# KiCad board FPGA_dev_board.kicad_pcb (continued)
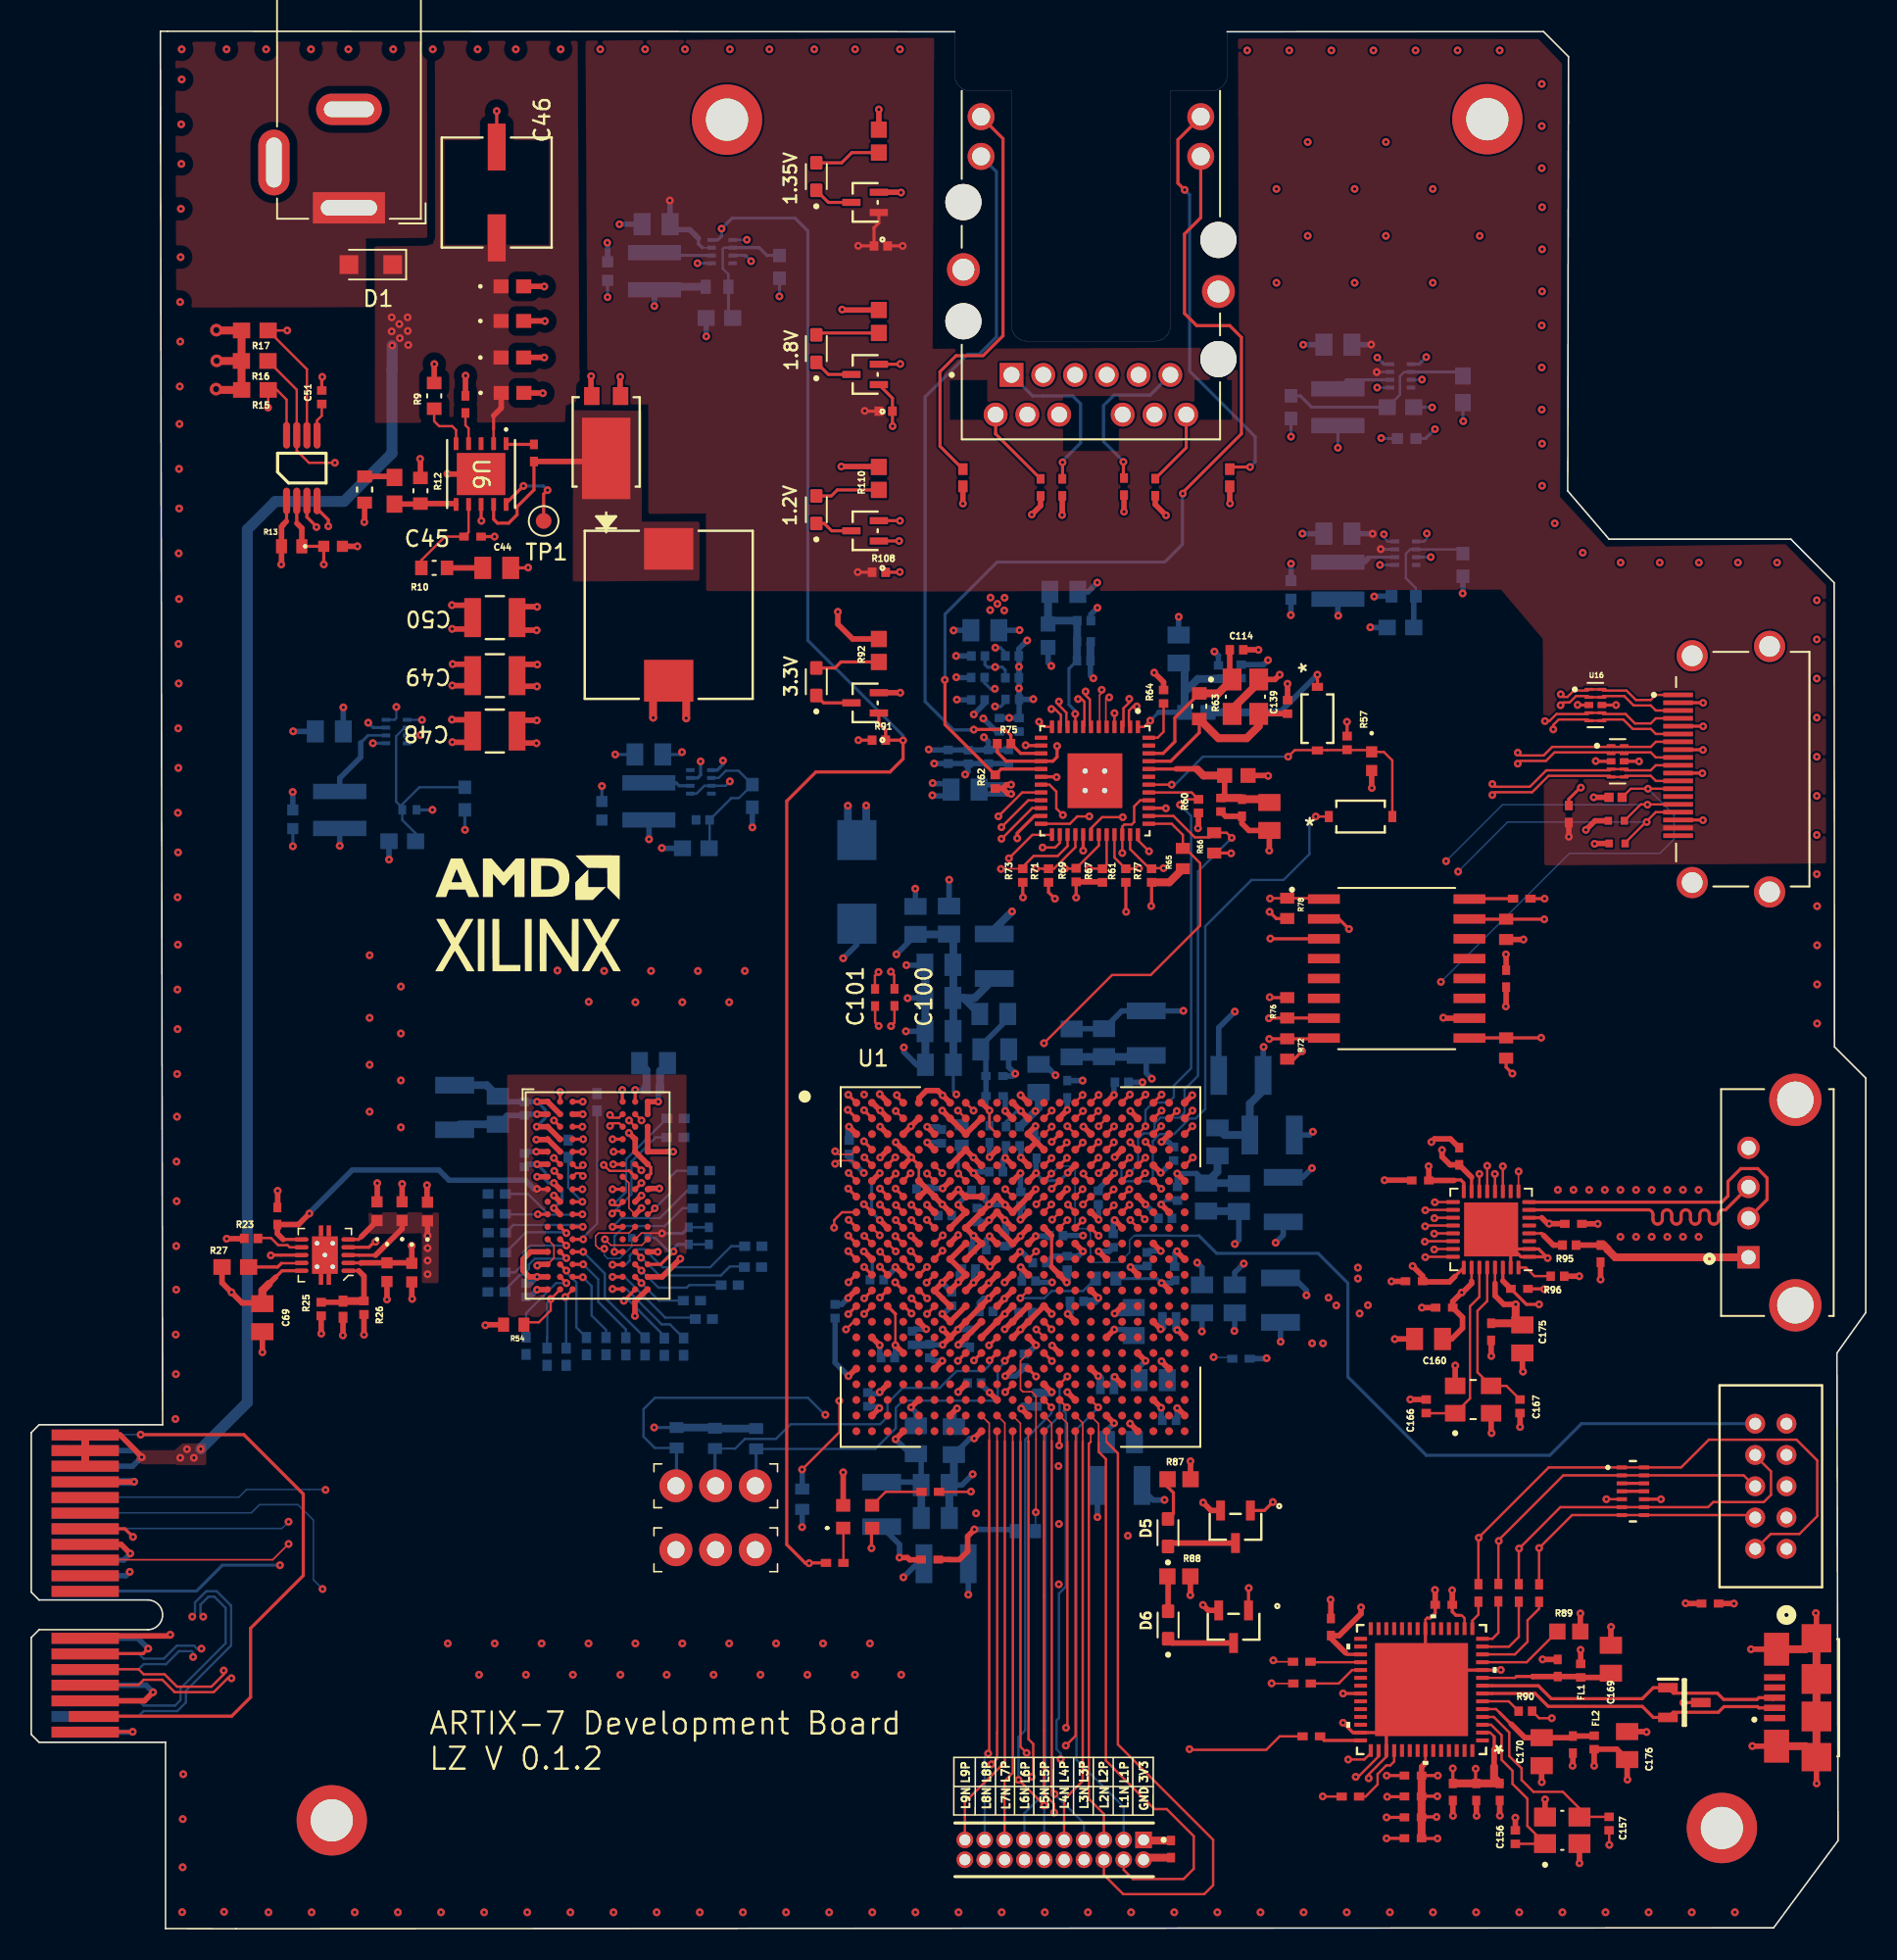
[diagram p0: board, top side]
## Routing (per net, layer and track width the routed paths; a pad name or vN(x,y) marks a point on that pad's centre or on a via; arc(x,y) is an arc through that point) (continued)
/Ethernet/TRD4_N: length 27.5
  Top w0.15: U11.11 65.86,76.92 65.86,77.61 65.48,77.98 v1(65.25,77.98)
  In2.Cu w0.1: v1(65.25,77.98) 65.25,78.18 64.55,78.88 64.55,79.9 arc(64.48,80.06) 64.33,80.13 64.13,80.13 arc(63.69,80.31) 63.5,80.75 63.5,80.75 arc(63.69,81.19) 64.13,81.38 64.33,81.38 arc(64.48,81.44) 64.55,81.6 64.55,91.41 arc(64.48,91.59) 64.3,91.66 63.88,91.66 arc(63.7,91.73) 63.63,91.91 arc(63.7,92.09) 63.88,92.16 64.3,92.16 arc(64.48,92.23) 64.55,92.41 arc(64.48,92.59) 64.3,92.66 63.88,92.66 arc(63.7,92.73) 63.63,92.91 arc(63.7,93.09) 63.88,93.16 64.3,93.16 arc(64.48,93.23) 64.55,93.41 arc(64.48,93.59) 64.3,93.66 63.88,93.66 arc(63.7,93.73) 63.63,93.91 arc(63.7,94.09) 63.88,94.16 64.3,94.16 arc(64.48,94.23) 64.55,94.41 arc(64.48,94.59) 64.3,94.66 63.88,94.66 arc(63.7,94.73) 63.63,94.91 arc(63.7,95.09) 63.88,95.16 64.3,95.16 arc(64.48,95.23) 64.55,95.41 64.55,95.6 65.29,96.34
/Ethernet/TRD4_P: length 27.5
  Top w0.15: U11.10 66.2,76.92 66.2,77.75 65.73,78.23 v1(65.73,78.46)
  In2.Cu w0.1: v1(65.73,78.46) 65.53,78.46 64.95,79.04 64.95,79.9 arc(64.77,80.34) 64.33,80.53 64.13,80.53 arc(63.97,80.59) 63.9,80.75 63.9,80.75 arc(63.97,80.91) 64.13,80.98 64.33,80.98 arc(64.77,81.16) 64.95,81.6 64.95,95.08 65.4,95.53 66.2,95.53 66.85,96.18 66.85,97.28 66.29,97.84 64.76,97.84 63.72,96.8
/FPGA Unit A/CLK_100MHZ: length 10
  Top w0.15: 60.1,27.98 60.06,27.94 R93.2
  Top w0.2: 62.82,34.84 v1(62.29,34.31)
  In5.Cu w0.15: v1(62.29,34.31) 62.29,33.76 60.94,32.41 60.94,28.82 60.1,27.98
  vias: v1(60.1,27.95)
/FPGA Unit A/CLK_OSC_OUT: length 3.5
  Top w0.15: R93.1 54.65,27.94 Y4.3
/FPGA Unit C/CONFIG_M00: length 23.2
  Top w0.2: 62.79,36.84 v1(62.27,36.31)
  Bottom w0.15: v1(62.27,36.31) 62.27,36.22 61.81,35.76 61.81,34 61.57,33.76 55.74,33.76 55.29,33.31 55.29,31.99 53.98,30.68 R83.1 ; 46.36,28.37 J9.3
  Bottom w0.2: R83.1 46.36,28.37
/FPGA Unit C/CONFIG_M10: length 23.7
  Top w0.2: 61.82,36.86 v1(61.29,36.34)
  Bottom w0.15: v1(61.29,36.34) 61.29,36.04 60.91,35.66 59.18,35.66 58.1,34.58 55.73,34.58 54.77,33.62 54.77,32.74 54.29,32.26 48.57,32.26 47.63,31.32 45.64,31.32 45.02,30.7 R84.1 ; 43.73,28.36 J9.2
  Bottom w0.2: R84.1 43.73,28.36
/FPGA Unit C/CONFIG_M20: length 30.8
  Top w0.2: 60.82,36.86 v1(60.29,36.34)
  In2.Cu w0.1: v1(60.29,36.34) 60.29,36.15
  In2.Cu w0.15: 50.73,32.89 52.11,32.89 54.25,35.03 59.17,35.03 60.29,36.15
  Bottom w0.15: 50.73,32.89 49.67,33.95 39.89,33.95 39.16,33.22 39.16,31.46 39.88,30.74 R85.1 ; 41.27,28.36 J9.1
  Bottom w0.2: R85.1 41.27,28.36
  vias: v1(50.79,32.86)
/FPGA Unit D - E/HSO_RX_0_N: length 120.4
  Top w0.15: v1(60.27,52.31) 59.77,52.81 U1.A8
  In5.Cu w0.1: v1(10.3,19.95) 10.7,20.35 11.4,20.35 12.71,21.66 12.71,23.96 16.43,27.68 16.43,38.59 17.37,39.53 18.64,39.53 20.3,41.19 20.3,44.7 19.96,45.04 19.96,58.74 28.65,67.43 57.6,67.43 59.97,65.07 59.97,52.61 v1(60.27,52.31)
  Bottom w0.15: v1(10.3,19.95) 10.47,20.13 10.47,20.86 11.18,21.58 11.86,21.58 12.78,20.65 12.78,18.11 9.89,15.22 9.89,14.47 9.34,13.92 7.19,13.92 6.86,13.59 3.64,13.59
/FPGA Unit D - E/HSO_RX_0_P: length 120.4
  Top w0.15: U1.B8 59.77,51.81 v1(59.27,52.31)
  In5.Cu w0.1: v1(59.27,52.31) 59.57,52.61 59.57,64.9 57.44,67.03 28.81,67.03 20.36,58.58 20.36,45.2 20.7,44.86 20.7,41.03 18.8,39.13 17.53,39.13 16.83,38.43 16.83,37.04 arc(16.93,36.79) 17.19,36.68 arc(17.44,36.58) 17.54,36.33 17.54,36.14 arc(17.44,35.89) 17.19,35.78 arc(16.93,35.68) 16.83,35.43 16.83,35.24 arc(16.93,34.99) 17.19,34.88 arc(17.44,34.78) 17.54,34.53 17.54,34.34 arc(17.44,34.09) 17.19,33.98 arc(16.93,33.88) 16.83,33.63 16.83,33.44 arc(16.93,33.19) 17.19,33.08 arc(17.44,32.98) 17.54,32.73 17.54,32.54 arc(17.44,32.29) 17.19,32.18 arc(16.93,32.08) 16.83,31.83 16.83,31.64 arc(16.93,31.39) 17.19,31.28 arc(17.44,31.18) 17.54,30.93 17.54,30.74 arc(17.44,30.49) 17.19,30.38 arc(16.93,30.28) 16.83,30.03 16.83,27.52 13.11,23.8 13.11,21.5 11.56,19.95 v1(11,19.95)
  Bottom w0.15: 3.64,14.59 6.86,14.59 7.19,14.27 9.2,14.27 9.54,14.61 9.54,15.36 12.43,18.25 12.43,20.51 11.71,21.23 11.33,21.23 10.82,20.72 10.82,20.13 v1(11,19.95)
/FPGA Unit D - E/HSO_TX_0__GTP_N: length 8.5
  Top w0.15: C101.1 53.97,57.95 v1(54.2,57.72)
  Top w0.2: U1.A4 55.36,53.22 v1(55.36,53.3)
  In5.Cu w0.1: v1(55.36,53.3) 55.63,53.03 56.14,53.03 56.28,53.16 56.28,54.46 54.4,56.34 54.4,57.52 v1(54.2,57.72)
/FPGA Unit D - E/HSO_TX_0__GTP_P: length 9.3
  Top w0.15: U1.B4 55.77,51.81 v1(55.29,52.28) ; v1(54.99,57.71) 55.21,57.93 C100.1
  In5.Cu w0.1: v1(55.29,52.28) 55.63,52.63 56.31,52.63 56.68,53 56.68,54.62 54.8,56.5 54.8,57.52 v1(54.99,57.71)
/FPGA Unit D - E/HSO_TX_0_N: length 119.6
  Top w0.15: 3.64,15.59 6.86,15.59 7.19,15.92 8.38,15.92 9.17,15.13 11.67,15.13 12.56,16.01 v1(12.8,16.01) ; 53.96,59.97 53.96,60.94 v1(54.19,61.17)
  In5.Cu w0.1: v1(54.19,61.17) 54.39,61.38 54.39,61.88 52.55,63.73 32.6,63.73 27.85,58.98 27.85,27.54 25.17,24.85 arc(25.09,24.68) 25.17,24.5 26.35,23.32 arc(26.54,22.86) 26.35,22.4 arc(25.89,22.21) 25.43,22.4 24.25,23.58 arc(24.07,23.65) 23.89,23.58 arc(23.82,23.4) 23.89,23.23 25.07,22.05 arc(25.26,21.59) 25.07,21.13 arc(24.61,20.94) 24.15,21.13 22.97,22.31 arc(22.8,22.38) 22.62,22.31 arc(22.55,22.13) 22.62,21.95 23.8,20.77 arc(23.99,20.32) 23.8,19.86 arc(23.34,19.67) 22.88,19.86 21.7,21.04 arc(21.52,21.11) 21.35,21.04 arc(21.27,20.86) 21.35,20.68 22.53,19.5 arc(22.72,19.04) 22.53,18.58 arc(22.07,18.39) 21.61,18.58 20.43,19.76 arc(20.25,19.84) 20.08,19.76 arc(20,19.59) 20.08,19.41 21.25,18.23 arc(21.45,17.77) 21.25,17.31 arc(20.8,17.12) 20.34,17.31 19.16,18.49 arc(18.98,18.56) 18.8,18.49 arc(18.73,18.31) 18.8,18.14 19.98,16.96 arc(20.17,16.5) 19.98,16.04 arc(19.52,15.85) 19.06,16.04 17.88,17.22 arc(17.71,17.29) 17.53,17.22 16.42,16.11 15.65,16.11 arc(15.39,16) 15.28,15.74 arc(15.18,15.49) 14.92,15.38 14.75,15.38 arc(14.49,15.49) 14.38,15.74 arc(14.28,16) 14.02,16.11 12.9,16.11 v1(12.8,16.01)
/FPGA Unit D - E/HSO_TX_0_P: length 119.6
  Top w0.15: v1(12.31,16.51) 12.31,16.26 11.52,15.48 9.32,15.48 8.53,16.27 7.19,16.27 6.86,16.59 3.64,16.59 ; 55.19,59.95 55.19,60.98 v1(54.98,61.19)
  In5.Cu w0.1: v1(54.98,61.19) 54.8,61.38 54.8,62.05 52.71,64.13 32.44,64.13 27.45,59.14 27.45,27.7 24.88,25.14 arc(24.69,24.68) 24.88,24.22 26.06,23.04 arc(26.14,22.86) 26.06,22.68 arc(25.89,22.61) 25.71,22.68 24.53,23.86 arc(24.07,24.05) 23.61,23.86 arc(23.42,23.4) 23.61,22.94 24.79,21.76 arc(24.86,21.59) 24.79,21.41 arc(24.61,21.34) 24.44,21.41 23.26,22.59 arc(22.8,22.78) 22.34,22.59 arc(22.15,22.13) 22.34,21.67 23.52,20.49 arc(23.59,20.32) 23.52,20.14 arc(23.34,20.07) 23.16,20.14 21.98,21.32 arc(21.52,21.51) 21.07,21.32 arc(20.87,20.86) 21.07,20.4 22.24,19.22 arc(22.32,19.04) 22.24,18.87 arc(22.07,18.79) 21.89,18.87 20.71,20.05 arc(20.25,20.24) 19.79,20.05 arc(19.6,19.59) 19.79,19.13 20.97,17.95 arc(21.05,17.77) 20.97,17.59 arc(20.8,17.52) 20.62,17.59 19.44,18.77 arc(18.98,18.96) 18.52,18.77 arc(18.33,18.31) 18.52,17.85 19.7,16.67 arc(19.77,16.5) 19.7,16.32 arc(19.52,16.25) 19.35,16.32 18.17,17.5 arc(17.71,17.69) 17.25,17.5 16.26,16.51 v1(12.31,16.51)
/FPGA Unit D - E/REFCLK_N: length 120.4
  Top w0.15: 57.79,48.78 v1(58.27,48.31)
  In5.Cu w0.1: v1(10.35,17.38) 10.35,17.62 9.99,17.99 9.99,18.6 10.66,19.27 12.67,19.27 13.56,20.16 13.56,23.21 15.81,25.46 23.3,25.46 26.22,28.38 26.22,31.97 arc(26.14,32.16) 25.95,32.25 25.71,32.25 arc(25.23,32.44) 25.04,32.92 arc(25.23,33.4) 25.71,33.59 25.95,33.59 arc(26.14,33.68) 26.22,33.87 arc(26.14,34.06) 25.95,34.15 25.71,34.15 arc(25.23,34.34) 25.04,34.82 arc(25.23,35.3) 25.71,35.5 25.95,35.5 arc(26.14,35.58) 26.22,35.77 arc(26.14,35.96) 25.95,36.04 25.71,36.04 arc(25.23,36.24) 25.04,36.72 arc(25.23,37.2) 25.71,37.4 25.95,37.4 arc(26.14,37.48) 26.22,37.67 26.22,48.25 25.92,48.55 25.92,60.73 30.78,65.59 56.16,65.59 58.64,63.11 58.64,54.63 57.76,53.75 57.76,52.1 58.58,51.28 58.58,49.96 57.99,49.37 57.99,48.59 v1(58.27,48.31)
  Bottom w0.15: v1(10.35,17.38) 10.35,17.66 10.26,17.75 9.45,17.75 8.62,16.92 7.19,16.92 6.86,16.59 3.64,16.59
/FPGA Unit D - E/REFCLK_P: length 120.4
  Top w0.15: U1.F6 57.77,47.81 v1(57.29,48.28)
  In5.Cu w0.1: v1(57.29,48.28) 57.59,48.59 57.59,49.53 58.18,50.12 58.18,51.12 57.36,51.94 57.36,53.91 58.24,54.79 58.24,62.95 56,65.19 30.94,65.19 26.32,60.57 26.32,48.71 26.62,48.41 26.62,37.67 arc(26.42,37.19) 25.95,37 25.71,37 arc(25.52,36.91) 25.44,36.72 arc(25.52,36.53) 25.71,36.44 25.95,36.44 arc(26.42,36.25) 26.62,35.77 arc(26.42,35.29) 25.95,35.09 25.71,35.09 arc(25.52,35.01) 25.44,34.82 arc(25.52,34.63) 25.71,34.54 25.95,34.54 arc(26.42,34.35) 26.62,33.87 arc(26.42,33.39) 25.95,33.19 25.71,33.19 arc(25.52,33.11) 25.44,32.92 arc(25.52,32.73) 25.71,32.65 25.95,32.65 arc(26.42,32.45) 26.62,31.97 26.62,28.22 23.46,25.06 22.93,25.06 arc(22.72,24.97) 22.64,24.77 arc(22.55,24.56) 22.35,24.48 22.03,24.48 arc(21.82,24.56) 21.74,24.77 arc(21.65,24.97) 21.45,25.06 21.13,25.06 arc(20.92,24.97) 20.84,24.77 arc(20.75,24.56) 20.55,24.48 20.23,24.48 arc(20.02,24.56) 19.94,24.77 arc(19.85,24.97) 19.65,25.06 15.97,25.06 13.96,23.05 13.96,20 12.83,18.87 10.83,18.87 10.39,18.43 10.39,18.15 10.63,17.91 v1(10.88,17.91)
  Bottom w0.15: 3.64,17.59 6.86,17.59 7.19,17.27 8.47,17.27 9.3,18.1 10.41,18.1 10.6,17.91 v1(10.88,17.91)
/usb/OSC_in: length 11.5
  Top w0.15: C156.1 96.81,5.43 Y2.1 95.69,6.57 95.69,8.31 94.74,9.26 94.74,10.1 94.04,10.8 94.04,12.37 93.37,13.04 U12.3
/usb/OSC_out: length 12.4
  Top w0.15: C157.1 99.03,7.15 Y2.3 99.02,7.69 97.96,8.75 96.08,8.75 95.32,9.51 95.32,10.25 94.53,11.04 94.53,12.55 93.54,13.54 U12.4
/usb/R_TCK: length 6.1
  Top w0.15: U12.12 94.89,17.54 95.7,18.35 95.7,19.72 96.44,20.46 R98.1
/usb/R_TDI: length 4.8
  Top w0.15: U12.13 93.37,18.04 93.38,18.03 94.51,18.03 95.14,18.66 R99.1
/usb/R_TDO: length 3.2
  Top w0.15: R100.1 93.83,18.92 93.45,18.54 U12.14
/usb/R_TMS: length 1.9
  Top w0.15: U12.15 92.17,19.7 92.56,20.09 R101.1
/usb/USB1_D_N: length 19.6
  Top w0.2: U12.7 93.42,15.04 93.43,15.04 96.19,15.04 97.02,14.22 103.04,14.22 103.74,13.51 IC2.2 105.01,13.84 107.9,13.84 108.26,14.2 110.41,14.2 110.49,14.12 J4.2
/usb/USB1_D_P: length 19.9
  Top w0.2: U12.8 93.42,15.54 93.43,15.53 96.39,15.53 97.22,14.7 103.04,14.7 103.74,15.41 IC2.1 105.03,15.06 107.84,15.06 108.24,14.66 110.38,14.66 110.49,14.77 J4.3 111.37,14.64
/usb/USB3300_XI: length 10.4
  Top w0.15: C167.1 94.35,34.71 Y3.3 92.5,35.58 92.5,39.51 93.12,40.13 U13.28
/usb/USB3300_XO: length 11.8
  Top w0.15: C166.1 89.23,32.96 Y3.1 92.02,33.91 92.02,39.8 92.62,40.4 U13.27
/usb/USB_D_N: length 20
  Top w0.2: J5.2 111.02,46.62 111.02,48 110.42,48.6 109.34,48.6 108.52,47.78 108.52,46.85 108.12,46.45 95.81,46.45 U13.8
/usb/USB_D_P: length 19.9
  Top w0.2: U13.7 95.81,45.97 103.42,45.97 arc(103.63,45.88) 103.72,45.66 103.72,45.35 arc(103.81,45.14) 104.02,45.05 arc(104.23,45.14) 104.32,45.35 104.32,45.66 arc(104.41,45.88) 104.62,45.97 arc(104.83,45.88) 104.92,45.66 104.92,45.35 arc(105.01,45.14) 105.22,45.05 arc(105.43,45.14) 105.52,45.35 105.52,45.66 arc(105.61,45.88) 105.82,45.97 arc(106.03,45.88) 106.12,45.66 106.12,45.35 arc(106.21,45.14) 106.42,45.05 arc(106.63,45.14) 106.72,45.35 106.72,45.66 arc(106.81,45.88) 107.02,45.97 arc(107.23,45.88) 107.32,45.66 107.32,45.35 arc(107.41,45.14) 107.62,45.05 arc(107.83,45.14) 107.92,45.35 107.92,45.66 arc(108.01,45.88) 108.22,45.97 108.36,45.97 J5.3
/usb/VPHY: length 8
  Top w0.15: U12.5 93.69,14.04 93.93,13.8
  Top w0.2: 94.66,13.08 94.65,13.08 93.93,13.8
  Top w0.35: 94.66,13.08 95.52,12.22 C170.1 98.49,12.22 C171.1 99.94,12.32 FL2.2
/usb/VPLL: length 8.4
  Top w0.15: U12.9 94.89,16.04 94.98,16.13
  Top w0.2: 94.98,16.13 96.03,16.13
  Top w0.35: 96.03,16.13 96.04,16.12 C168.1 99.04,16.12 FL1.2 100.76,16.07 C169.1
DDR3_A0: length 63.2
  Top w0.2: 34.67,43.28 v1(35.3,43.28) ; 57.75,42.82 v1(58.28,43.35)
  In2.Cu w0.1: v1(35.3,43.28) 33.83,43.28 33.5,42.95 33.5,40.81 33.66,40.65 33.66,36.69 38.95,31.4 53.99,31.4 54.72,32.13 61.53,32.13 63.53,34.13 63.53,37.55 63.79,37.81 63.79,40.7 61.14,43.35 v1(58.28,43.35)
  Bottom w0.15: v1(35.3,43.28) 36.68,41.9 36.68,40.36 R24.2
DDR3_A1: length 64.8
  Top w0.2: 53.8,40.83 v1(53.28,40.31) ; 37.83,42.45 v1(37.17,42.45)
  In5.Cu w0.1: v1(37.17,42.45) 37.18,42.45 37.97,42.45 39.25,43.73 40.25,43.73 40.65,43.33 40.65,42.49 40.72,42.42 arc(40.81,42.38) 40.9,42.42 41.03,42.56 arc(41.12,42.59) 41.21,42.56 arc(41.25,42.47) 41.21,42.38 40.73,41.89 arc(40.69,41.81) 40.73,41.72 arc(40.81,41.68) 40.9,41.72 41.42,42.24 arc(41.51,42.27) 41.6,42.24 arc(41.64,42.15) 41.6,42.06 41.08,41.54 arc(41.04,41.45) 41.08,41.36 arc(41.17,41.33) 41.26,41.36 41.78,41.88 arc(41.86,41.92) 41.95,41.88 arc(41.99,41.8) 41.95,41.71 41.43,41.19 arc(41.4,41.1) 41.43,41.01 arc(41.52,40.97) 41.61,41.01 42.13,41.53 arc(42.22,41.57) 42.31,41.53 arc(42.34,41.44) 42.31,41.35 41.79,40.83 arc(41.75,40.75) 41.79,40.66 arc(41.87,40.62) 41.96,40.66 42.48,41.18 arc(42.57,41.21) 42.66,41.18 arc(42.7,41.09) 42.66,41 42.14,40.48 arc(42.1,40.39) 42.14,40.3 arc(42.23,40.27) 42.32,40.3 42.84,40.82 arc(42.92,40.86) 43.01,40.82 arc(43.05,40.74) 43.01,40.65 42.49,40.13 arc(42.46,40.04) 42.49,39.95 arc(42.58,39.91) 42.67,39.95 43.19,40.47 arc(43.28,40.51) 43.37,40.47 arc(43.4,40.38) 43.37,40.29 42.85,39.77 arc(42.81,39.69) 42.85,39.6 arc(42.93,39.56) 43.02,39.6 43.19,39.77 arc(43.28,39.8) 43.37,39.77 43.61,39.53 43.91,39.53 arc(44,39.57) 44.03,39.66 44.03,39.9 arc(44.07,39.99) 44.16,40.02 arc(44.25,39.99) 44.28,39.9 44.28,39.16 arc(44.32,39.07) 44.41,39.04 arc(44.5,39.07) 44.53,39.16 44.53,39.9 arc(44.57,39.99) 44.66,40.02 arc(44.75,39.99) 44.78,39.9 44.78,39.16 arc(44.82,39.07) 44.91,39.04 arc(45,39.07) 45.03,39.16 45.03,39.85 arc(45.07,39.94) 45.16,39.97 arc(45.25,39.94) 45.28,39.85 45.28,39.16 arc(45.32,39.07) 45.41,39.04 arc(45.5,39.07) 45.53,39.16 45.53,39.8 arc(45.57,39.89) 45.66,39.92 arc(45.75,39.89) 45.78,39.8 45.78,39.16 arc(45.82,39.07) 45.91,39.04 arc(46,39.07) 46.03,39.16 46.03,39.8 arc(46.07,39.89) 46.16,39.92 arc(46.25,39.89) 46.28,39.8 46.28,39.16 arc(46.32,39.07) 46.41,39.04 arc(46.5,39.07) 46.53,39.16 46.53,39.8 arc(46.57,39.89) 46.66,39.92 arc(46.75,39.89) 46.78,39.8 46.78,39.16 arc(46.82,39.07) 46.91,39.04 arc(47,39.07) 47.03,39.16 47.03,39.8 arc(47.07,39.89) 47.16,39.92 arc(47.25,39.89) 47.28,39.8 47.28,39.16 arc(47.32,39.07) 47.41,39.04 arc(47.5,39.07) 47.53,39.16 47.53,39.8 arc(47.57,39.89) 47.66,39.92 arc(47.75,39.89) 47.78,39.8 47.78,39.16 arc(47.82,39.07) 47.91,39.04 arc(48,39.07) 48.03,39.16 48.03,39.8 arc(48.07,39.89) 48.16,39.92 arc(48.25,39.89) 48.28,39.8 48.28,39.16 arc(48.32,39.07) 48.41,39.04 arc(48.5,39.07) 48.53,39.16 48.53,39.8 arc(48.57,39.89) 48.66,39.92 arc(48.75,39.89) 48.78,39.8 48.78,39.16 arc(48.82,39.07) 48.91,39.04 arc(49,39.07) 49.03,39.16 49.03,39.8 arc(49.07,39.89) 49.16,39.92 arc(49.25,39.89) 49.28,39.8 49.28,39.16 arc(49.32,39.07) 49.41,39.04 arc(49.5,39.07) 49.53,39.16 49.53,39.8 arc(49.57,39.89) 49.66,39.92 arc(49.75,39.89) 49.78,39.8 49.78,39.16 arc(49.82,39.07) 49.91,39.04 arc(50,39.07) 50.03,39.16 50.03,39.9 arc(50.07,39.99) 50.16,40.02 arc(50.25,39.99) 50.28,39.9 50.28,39.16 arc(50.32,39.07) 50.41,39.04 arc(50.5,39.07) 50.53,39.16 50.53,39.41 arc(50.57,39.49) 50.66,39.53 50.84,39.53 51.05,39.74 arc(51.09,39.83) 51.05,39.92 50.88,40.09 arc(50.84,40.18) 50.88,40.27 arc(50.97,40.3) 51.06,40.27 51.23,40.1 arc(51.32,40.06) 51.41,40.1 52.13,40.82 52.76,40.82 v1(53.28,40.31)
  Bottom w0.1: v1(37.17,42.45) 38.02,42.45
  Bottom w0.15: 38.02,42.45 38.28,42.72 38.28,43.04 38.68,43.44 39.22,43.44 40.19,42.47 40.21,42.47 40.39,42.29 43.42,42.29 44.77,43.64 R28.2
DDR3_A2: length 62.4
  Top w0.2: 55.74,42.84 v1(56.27,42.31) ; 56.29,42.31 56.29,42.36 ; 34.67,42.48 v1(35.3,42.48)
  In5.Cu w0.1: v1(56.27,42.31) 56.32,42.31 56.81,41.82 59.46,41.82 59.8,41.48 59.8,40.14 60.31,39.63 60.32,39.63 60.32,39.52 60.32,39.47 60.36,39.38 60.43,39.31 60.52,39.27 60.57,39.27 60.82,39.27 60.86,39.27 60.96,39.23 61.03,39.16 61.06,39.07 61.07,39.02 61.06,38.97 61.03,38.88 60.96,38.81 60.86,38.77 60.82,38.77 60.57,38.77 60.52,38.77 60.43,38.73 60.36,38.66 60.32,38.57 60.32,38.52 60.32,38.47 60.36,38.38 60.43,38.31 60.52,38.27 60.57,38.27 61.17,38.27 61.21,38.27 61.31,38.23 61.38,38.16 61.41,38.07 61.42,38.02 61.41,37.97 61.38,37.88 61.31,37.81 61.21,37.77 61.17,37.77 60.57,37.77 60.52,37.77 60.43,37.73 60.36,37.66 60.32,37.57 60.77,37.12 60.77,34.9 59.71,33.84 58.98,33.84 arc(58.84,33.9) 58.78,34.04 arc(58.72,34.18) 58.58,34.24 58.38,34.24 arc(58.24,34.18) 58.18,34.04 58.18,33.74 arc(58.15,33.66) 58.08,33.63 57.68,33.63 arc(57.61,33.66) 57.58,33.74 57.58,34.02 arc(57.53,34.14) 57.4,34.2 57.16,34.2 arc(57.03,34.14) 56.98,34.02 56.98,33.79 arc(56.97,33.75) 56.93,33.74 55.72,33.74 arc(55.6,33.69) 55.55,33.56 55.55,33.43 arc(55.49,33.3) 55.37,33.25 arc(55.25,33.3) 55.19,33.43 55.19,34.1 arc(55.14,34.23) 55.02,34.28 arc(54.9,34.23) 54.84,34.1 54.84,33.91 arc(54.79,33.79) 54.67,33.74 54.07,33.74 53.67,33.34 53.67,31.92 52.6,30.85 38.6,30.85 34.96,34.49 34.96,40.21 35.75,41 35.75,42.03 v1(35.3,42.48) ; v1(35.3,42.48) 35.3,42.53 ; v1(35.3,42.48) 35.34,42.48
  Bottom w0.15: R29.2 38.03,38.32 36.26,40.09 36.26,41.52 v1(35.3,42.48)
DDR3_A3: length 59.8
  Top w0.2: 57.79,41.84 v1(57.27,41.31) ; U9.N2 v1(34.22,42.88)
  In5.Cu w0.1: v1(34.22,42.88) 35.65,42.88 36.08,42.45 36.08,40.48 35.57,39.97 35.57,39.69 arc(35.61,39.6) 35.69,39.57 arc(35.78,39.53) 35.82,39.44 35.82,39.34 arc(35.78,39.25) 35.69,39.22 35.45,39.22 arc(35.36,39.18) 35.32,39.09 35.32,38.99 arc(35.36,38.9) 35.45,38.87 35.69,38.87 arc(35.78,38.83) 35.82,38.74 35.82,38.64 arc(35.78,38.55) 35.69,38.51 35.45,38.51 arc(35.36,38.48) 35.32,38.39 35.32,38.29 arc(35.36,38.2) 35.45,38.16 35.69,38.16 arc(35.78,38.13) 35.82,38.04 35.82,37.94 arc(35.78,37.85) 35.69,37.81 35.45,37.81 arc(35.36,37.78) 35.32,37.69 35.32,37.59 arc(35.36,37.5) 35.45,37.47 35.69,37.47 arc(35.78,37.43) 35.82,37.34 35.82,37.24 arc(35.78,37.15) 35.69,37.12 35.45,37.12 arc(35.36,37.08) 35.32,36.99 35.32,36.89 arc(35.36,36.8) 35.45,36.76 35.69,36.76 arc(35.78,36.73) 35.82,36.64 35.82,36.54 arc(35.78,36.45) 35.69,36.41 35.45,36.41 arc(35.36,36.38) 35.32,36.29 35.32,36.19 arc(35.36,36.1) 35.45,36.06 35.69,36.06 arc(35.78,36.03) 35.82,35.94 35.82,35.84 arc(35.78,35.75) 35.69,35.72 35.45,35.72 arc(35.36,35.68) 35.32,35.59 35.32,35.49 arc(35.36,35.4) 35.45,35.37 35.69,35.37 arc(35.78,35.33) 35.82,35.24 35.82,35.14 arc(35.78,35.05) 35.69,35.01 arc(35.61,34.98) 35.57,34.89 35.57,34.5 35.81,34.26 arc(35.82,34.22) 35.81,34.19 arc(35.8,34.15) 35.81,34.12 35.99,33.94 arc(36.02,33.93) 36.06,33.94 36.19,34.07 arc(36.29,34.11) 36.38,34.07 36.4,34.06 arc(36.44,33.96) 36.4,33.86 arc(36.36,33.77) 36.4,33.67 38.86,31.21 52.4,31.21 53.29,32.1 53.29,34.25 53.75,34.71 55.36,34.71 55.6,34.47 58.23,34.47 59.79,36.03 59.79,39.12 59.12,39.79 arc(59.07,39.91) 59.12,40.03 59.37,40.28 arc(59.42,40.4) 59.37,40.53 arc(59.25,40.58) 59.12,40.53 58.88,40.28 arc(58.75,40.23) 58.63,40.28 arc(58.58,40.4) 58.63,40.53 58.88,40.78 58.88,40.78 arc(58.93,40.9) 58.88,41.02 arc(58.75,41.07) 58.63,41.02 58.38,40.77 58.38,40.78 arc(58.26,40.72) 58.14,40.78 57.6,41.31 v1(57.27,41.31)
  Bottom w0.15: R30.2 30.3,40.85 31.26,41.81 31.45,41.81 31.83,42.19 31.83,42.47 32.2,42.84 34.19,42.84 v1(34.22,42.88)
DDR3_A4: length 60.3
  Top w0.2: U9.P8 v1(39.03,42.08) ; 53.79,39.84 v1(53.27,39.31)
  In5.Cu w0.1: v1(39.03,42.08) 39.42,41.68 39.42,36.72 40.5,35.65 40.65,35.65 arc(40.76,35.69) 40.8,35.8 40.8,36.1 arc(40.84,36.2) 40.95,36.25 arc(41.06,36.2) 41.1,36.1 41.1,35.2 arc(41.14,35.1) 41.25,35.05 arc(41.36,35.1) 41.4,35.2 41.4,36.1 arc(41.44,36.2) 41.55,36.25 arc(41.66,36.2) 41.7,36.1 41.7,35.2 arc(41.74,35.1) 41.85,35.05 arc(41.96,35.1) 42,35.2 42,36.1 arc(42.04,36.2) 42.15,36.25 arc(42.26,36.2) 42.3,36.1 42.3,35.2 arc(42.34,35.1) 42.45,35.05 arc(42.56,35.1) 42.6,35.2 42.6,36.1 arc(42.64,36.2) 42.75,36.25 arc(42.86,36.2) 42.9,36.1 42.9,35.2 arc(42.94,35.1) 43.05,35.05 arc(43.16,35.1) 43.2,35.2 43.2,36.1 arc(43.24,36.2) 43.35,36.25 arc(43.46,36.2) 43.5,36.1 43.5,35.2 arc(43.54,35.1) 43.65,35.05 arc(43.76,35.1) 43.8,35.2 43.8,36.1 arc(43.84,36.2) 43.95,36.25 arc(44.06,36.2) 44.1,36.1 44.1,35.2 arc(44.14,35.1) 44.25,35.05 arc(44.36,35.1) 44.4,35.2 44.4,36.1 arc(44.44,36.2) 44.55,36.25 arc(44.66,36.2) 44.7,36.1 44.7,35.2 arc(44.74,35.1) 44.85,35.05 arc(44.96,35.1) 45,35.2 45,36.1 arc(45.04,36.2) 45.15,36.25 arc(45.26,36.2) 45.3,36.1 45.3,35.2 arc(45.34,35.1) 45.45,35.05 arc(45.56,35.1) 45.6,35.2 45.6,36.1 arc(45.64,36.2) 45.75,36.25 arc(45.86,36.2) 45.9,36.1 45.9,35.2 arc(45.94,35.1) 46.05,35.05 arc(46.16,35.1) 46.2,35.2 46.2,36.1 arc(46.24,36.2) 46.35,36.25 arc(46.46,36.2) 46.5,36.1 46.5,35.2 arc(46.54,35.1) 46.65,35.05 arc(46.76,35.1) 46.8,35.2 46.8,36.1 arc(46.84,36.2) 46.95,36.25 arc(47.06,36.2) 47.1,36.1 47.1,35.2 arc(47.14,35.1) 47.25,35.05 arc(47.36,35.1) 47.4,35.2 47.4,36.1 arc(47.44,36.2) 47.55,36.25 arc(47.66,36.2) 47.7,36.1 47.7,35.2 arc(47.74,35.1) 47.85,35.05 arc(47.96,35.1) 48,35.2 48,36.1 arc(48.04,36.2) 48.15,36.25 arc(48.26,36.2) 48.3,36.1 48.3,35.2 arc(48.34,35.1) 48.45,35.05 arc(48.56,35.1) 48.6,35.2 48.6,36.1 arc(48.64,36.2) 48.75,36.25 arc(48.86,36.2) 48.9,36.1 48.9,35.2 arc(48.94,35.1) 49.05,35.05 arc(49.16,35.1) 49.2,35.2 49.2,36.1 arc(49.24,36.2) 49.35,36.25 arc(49.46,36.2) 49.5,36.1 49.5,35.2 arc(49.54,35.1) 49.65,35.05 arc(49.76,35.1) 49.8,35.2 49.8,35.5 arc(49.84,35.61) 49.95,35.65 50.17,35.65 53.27,38.75 v1(53.27,39.31)
  Bottom w0.15: R31.2 42.08,41.15 41.92,40.99 40.11,40.99 v1(39.03,42.08)
DDR3_A5: length 37
  Top w0.2: U9.P2 v1(34.22,42.08) ; 57.78,43.81 v1(58.3,44.33)
  In2.Cu w0.1: 57.79,43.82 57.79,43.1 57.55,42.86 57.12,42.86 56.82,42.56 56.82,42.01 54.62,39.81 51.73,39.81 48.51,36.59 39.04,36.59 35.63,40 35.63,40.71 35.39,40.95 35.1,40.95 34.65,41.4 34.65,41.66 34.63,41.68 34.62,41.68 v1(34.22,42.08) ; 57.79,43.82 v1(58.3,44.33) ; 57.79,43.82 57.75,43.78
  Bottom w0.15: v1(34.22,42.08) 34.22,41.97 34.86,41.33 34.86,38.45 R32.2
DDR3_A6: length 80
  Top w0.2: U9.R8 v1(39.03,41.28) ; 55.78,40.81 v1(55.25,41.33)
  In5.Cu w0.1: 52.81,37.71 51,35.9 arc(50.96,35.79) 51,35.69 51.2,35.49 arc(51.25,35.38) 51.2,35.27 arc(51.1,35.23) 50.99,35.27 50.62,35.65 arc(50.55,35.67) 50.49,35.65 50.41,35.56 arc(50.38,35.5) 50.41,35.43 50.78,35.06 arc(50.82,34.96) 50.78,34.85 arc(50.67,34.81) 50.57,34.85 50.22,35.19 arc(50.19,35.21) 50.15,35.19 50.01,35.05 arc(50,35.02) 50.01,34.98 50.36,34.63 arc(50.4,34.53) 50.36,34.42 arc(50.25,34.38) 50.14,34.42 49.94,34.63 arc(49.83,34.67) 49.73,34.63 49.48,34.38 49.2,34.38 arc(49.09,34.42) 49.05,34.53 49.05,34.67 arc(49.01,34.78) 48.9,34.82 arc(48.79,34.78) 48.75,34.67 48.75,33.94 arc(48.71,33.83) 48.6,33.79 arc(48.49,33.83) 48.45,33.94 48.45,34.67 arc(48.41,34.78) 48.3,34.82 arc(48.19,34.78) 48.15,34.67 48.15,33.94 arc(48.11,33.83) 48,33.79 arc(47.89,33.83) 47.85,33.94 47.85,34.67 arc(47.81,34.78) 47.7,34.82 arc(47.59,34.78) 47.55,34.67 47.55,33.94 arc(47.51,33.83) 47.4,33.79 arc(47.29,33.83) 47.25,33.94 47.25,34.67 arc(47.21,34.78) 47.1,34.82 arc(46.99,34.78) 46.95,34.67 46.95,33.94 arc(46.91,33.83) 46.8,33.79 arc(46.69,33.83) 46.65,33.94 46.65,34.67 arc(46.61,34.78) 46.5,34.82 arc(46.39,34.78) 46.35,34.67 46.35,33.94 arc(46.31,33.83) 46.2,33.79 arc(46.09,33.83) 46.05,33.94 46.05,34.67 arc(46.01,34.78) 45.9,34.82 arc(45.79,34.78) 45.75,34.67 45.75,33.94 arc(45.71,33.83) 45.6,33.79 arc(45.49,33.83) 45.45,33.94 45.45,34.67 arc(45.41,34.78) 45.3,34.82 arc(45.19,34.78) 45.15,34.67 45.15,33.94 arc(45.11,33.83) 45,33.79 arc(44.89,33.83) 44.85,33.94 44.85,34.67 arc(44.81,34.78) 44.7,34.82 arc(44.59,34.78) 44.55,34.67 44.55,33.94 arc(44.51,33.83) 44.4,33.79 arc(44.29,33.83) 44.25,33.94 44.25,34.67 arc(44.21,34.78) 44.1,34.82 arc(43.99,34.78) 43.95,34.67 43.95,33.94 arc(43.91,33.83) 43.8,33.79 arc(43.69,33.83) 43.65,33.94 43.65,34.67 arc(43.61,34.78) 43.5,34.82 arc(43.39,34.78) 43.35,34.67 43.35,33.94 arc(43.31,33.83) 43.2,33.79 arc(43.09,33.83) 43.05,33.94 43.05,34.67 arc(43.01,34.78) 42.9,34.82 arc(42.79,34.78) 42.75,34.67 42.75,33.94 arc(42.71,33.83) 42.6,33.79 arc(42.49,33.83) 42.45,33.94 42.45,34.67 arc(42.41,34.78) 42.3,34.82 arc(42.19,34.78) 42.15,34.67 42.15,33.94 arc(42.11,33.83) 42,33.79 arc(41.89,33.83) 41.85,33.94 41.85,34.67 arc(41.81,34.78) 41.7,34.82 arc(41.59,34.78) 41.55,34.67 41.55,33.94 arc(41.51,33.83) 41.4,33.79 arc(41.29,33.83) 41.25,33.94 41.25,34.67 arc(41.21,34.78) 41.1,34.82 arc(40.99,34.78) 40.95,34.67 40.95,34.53 arc(40.91,34.42) 40.8,34.38 40.51,34.67 arc(40.47,34.77) 40.51,34.88 40.72,35.08 arc(40.76,35.19) 40.72,35.3 arc(40.61,35.34) 40.5,35.3 39.88,34.68 arc(39.78,34.63) 39.67,34.68 arc(39.63,34.78) 39.67,34.89 40.19,35.4 arc(40.23,35.51) 40.19,35.62 arc(40.08,35.66) 39.97,35.62 39.46,35.1 arc(39.35,35.06) 39.25,35.1 arc(39.2,35.21) 39.25,35.31 39.76,35.83 arc(39.81,35.93) 39.76,36.04 arc(39.66,36.08) 39.55,36.04 39.03,35.52 arc(38.93,35.48) 38.82,35.52 arc(38.78,35.63) 38.82,35.74 39.34,36.25 arc(39.38,36.36) 39.34,36.46 arc(39.23,36.51) 39.13,36.46 39.03,36.37 arc(38.92,36.32) 38.81,36.37 38.5,36.68 38.5,38.45 39.01,38.96 39.01,41.26 v1(39.03,41.28) ; 52.81,37.71 52.75,37.71 ; 52.81,37.71 53.23,37.71 arc(53.35,37.66) 53.41,37.53 53.41,37.09 arc(53.46,36.96) 53.58,36.91 arc(53.7,36.96) 53.75,37.09 53.75,39.44 arc(53.81,39.56) 53.93,39.61 arc(54.05,39.56) 54.11,39.44 54.11,37.88 arc(54.16,37.76) 54.28,37.71 arc(54.4,37.76) 54.45,37.88 54.45,39.88 arc(54.51,40.01) 54.63,40.06 arc(54.75,40.01) 54.8,39.88 54.8,37.88 arc(54.86,37.76) 54.98,37.71 55.34,37.71 55.62,37.99 arc(55.75,38.04) 55.87,37.99 56.12,37.75 arc(56.24,37.69) 56.37,37.75 arc(56.42,37.87) 56.37,37.99 55.34,39.02 arc(55.29,39.14) 55.34,39.27 arc(55.46,39.32) 55.59,39.27 56.12,38.74 arc(56.24,38.68) 56.37,38.74 56.79,39.16 56.79,40.39 55.85,41.33 v1(55.25,41.33)